# Altium PCB FlatSat Half 2.PcbDoc (part 2 of 9)
Units mil, origin at the board's own origin, x right, y up, seen from the top; angles counter-clockwise.
Board outline 4682 x 11604 mil, 4 copper layers (Top Layer, STR GND 1, STR GND 2, Bottom Layer), stack 33.434 mil thick; 231 components, 255 nets, 990 pads, 1104 vias.
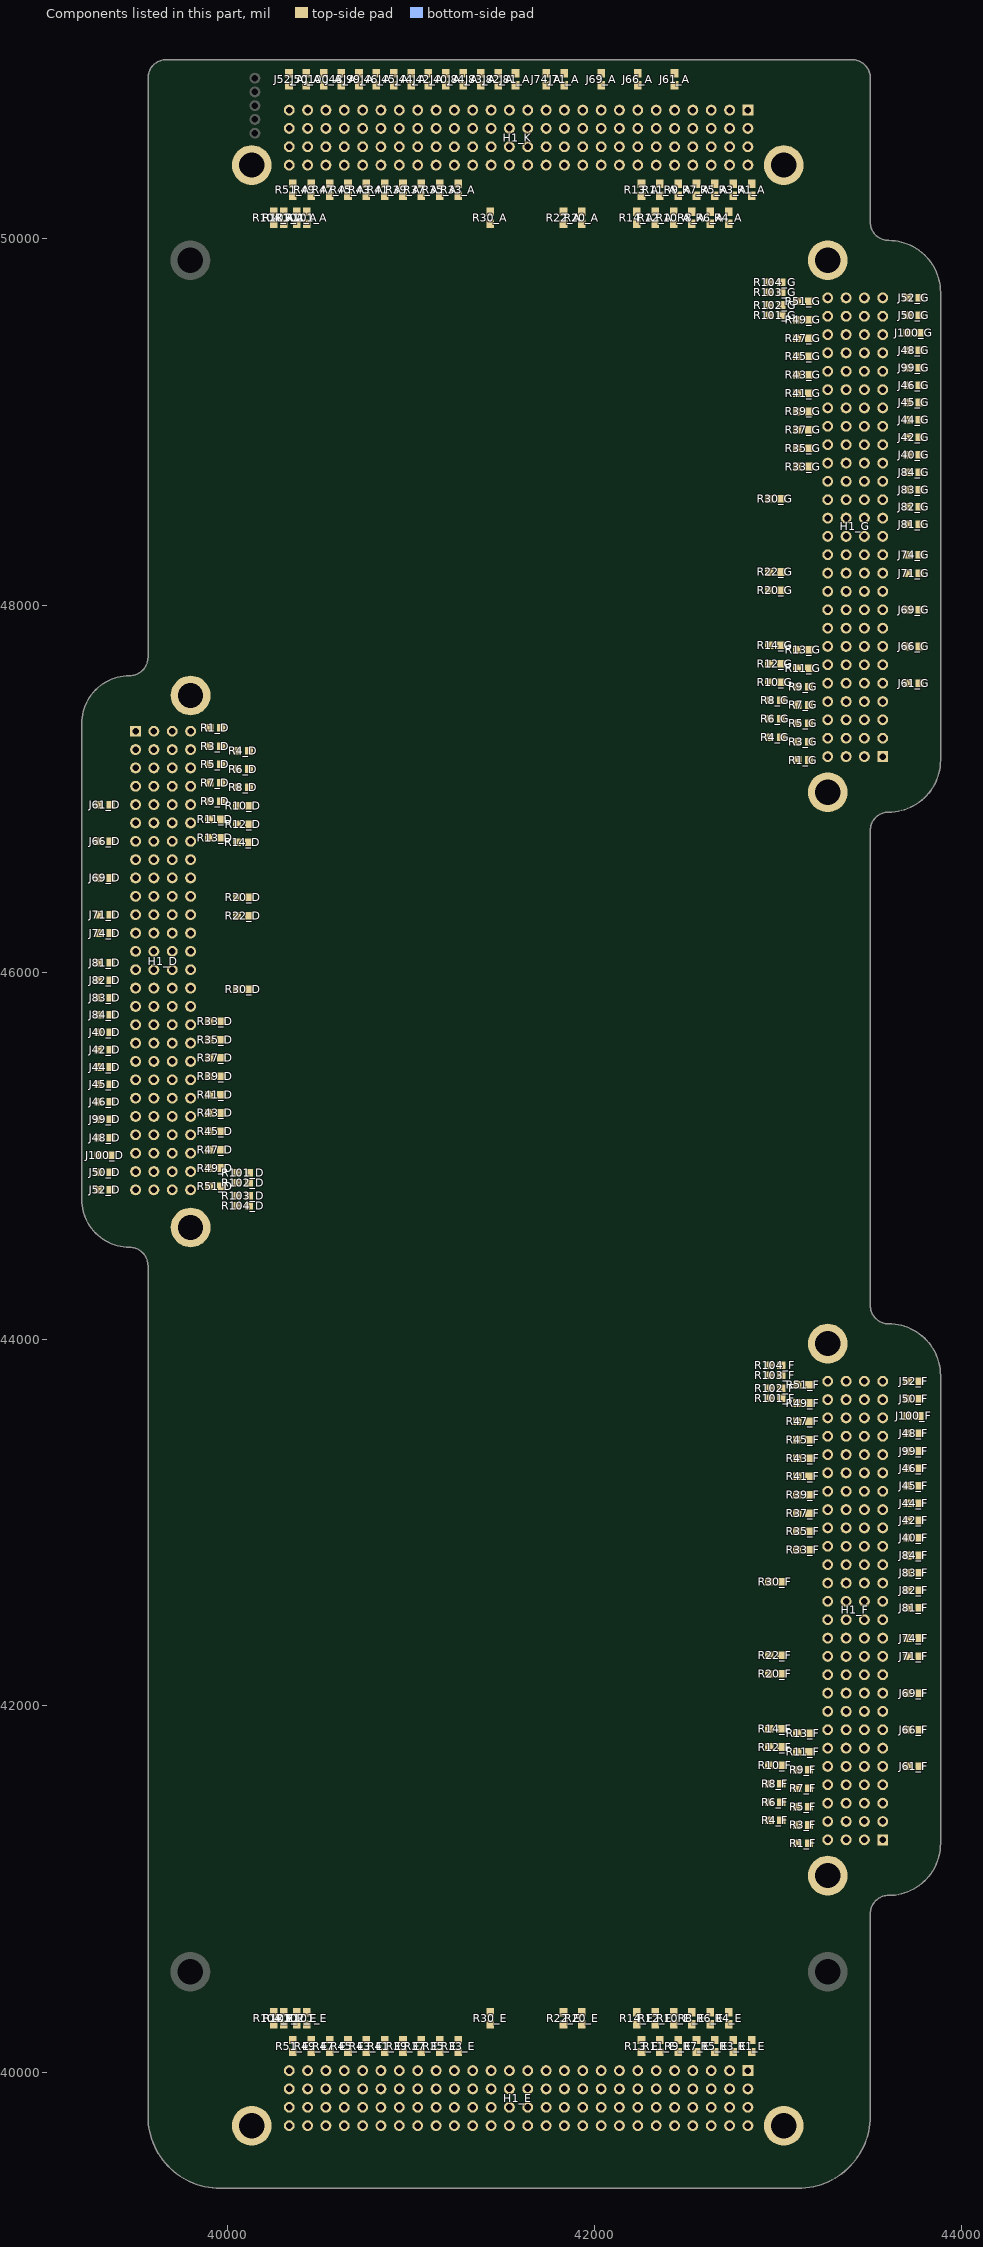
[diagram p4: the components of this part, seen from the top]

## Design rules (kind name [scope] priority, off if disabled: settings) (continued)
Clearance "Schematic Clearance Constraint_486" [InNet('SEP_SW2')] p594: gap=8
Clearance "Schematic Clearance Constraint_485" [InNet('SEP_SW2')] p595: gap=8
Clearance "Schematic Clearance Constraint_484" [InNet('SEP_SW2')] p596: gap=8
Clearance "Schematic Clearance Constraint_483" [InNet('SEP_SW2')] p597: gap=8
Clearance "Schematic Clearance Constraint_482" [InNet('SEP_SW2')] p598: gap=8
Clearance "Schematic Clearance Constraint_481" [InNet('SEP_SW1')] p599: gap=8
Clearance "Schematic Clearance Constraint_480" [InNet('SEP_SW1')] p600: gap=8
Clearance "Schematic Clearance Constraint_479" [InNet('SEP_SW1')] p601: gap=8
Clearance "Schematic Clearance Constraint_478" [InNet('SEP_SW1')] p602: gap=8
Clearance "Schematic Clearance Constraint_477" [InNet('SEP_SW1')] p603: gap=8
Clearance "Schematic Clearance Constraint_476" [InNet('SEP_SW1')] p604: gap=8
Clearance "Schematic Clearance Constraint_475" [InNet('SEP_SW1')] p605: gap=8
Clearance "Schematic Clearance Constraint_474" [InNet('SEP_SW1')] p606: gap=8
Clearance "Schematic Clearance Constraint_473" [InNet('RESERVED_8')] p607: gap=8
Clearance "Schematic Clearance Constraint_472" [InNet('RESERVED_8')] p608: gap=8
Clearance "Schematic Clearance Constraint_471" [InNet('RESERVED_8')] p609: gap=8
Clearance "Schematic Clearance Constraint_470" [InNet('RESERVED_8')] p610: gap=8
Clearance "Schematic Clearance Constraint_469" [InNet('RESERVED_8')] p611: gap=8
Clearance "Schematic Clearance Constraint_468" [InNet('RESERVED_8')] p612: gap=8
Clearance "Schematic Clearance Constraint_467" [InNet('RESERVED_8')] p613: gap=8
Clearance "Schematic Clearance Constraint_466" [InNet('RESERVED_8')] p614: gap=8
Clearance "Schematic Clearance Constraint_465" [InNet('RESERVED_7')] p615: gap=8
Clearance "Schematic Clearance Constraint_464" [InNet('RESERVED_7')] p616: gap=8
Clearance "Schematic Clearance Constraint_463" [InNet('RESERVED_7')] p617: gap=8
Clearance "Schematic Clearance Constraint_462" [InNet('RESERVED_7')] p618: gap=8
Clearance "Schematic Clearance Constraint_461" [InNet('RESERVED_7')] p619: gap=8
Clearance "Schematic Clearance Constraint_460" [InNet('RESERVED_7')] p620: gap=8
Clearance "Schematic Clearance Constraint_459" [InNet('RESERVED_7')] p621: gap=8
Clearance "Schematic Clearance Constraint_458" [InNet('RESERVED_7')] p622: gap=8
Clearance "Schematic Clearance Constraint_457" [InNet('RESERVED_6')] p623: gap=8
Clearance "Schematic Clearance Constraint_456" [InNet('RESERVED_6')] p624: gap=8
Clearance "Schematic Clearance Constraint_455" [InNet('RESERVED_6')] p625: gap=8
Clearance "Schematic Clearance Constraint_454" [InNet('RESERVED_6')] p626: gap=8
Clearance "Schematic Clearance Constraint_453" [InNet('RESERVED_6')] p627: gap=8
Clearance "Schematic Clearance Constraint_452" [InNet('RESERVED_6')] p628: gap=8
Clearance "Schematic Clearance Constraint_451" [InNet('RESERVED_6')] p629: gap=8
Clearance "Schematic Clearance Constraint_450" [InNet('RESERVED_6')] p630: gap=8
Clearance "Schematic Clearance Constraint_449" [InNet('RESERVED_5')] p631: gap=8
Clearance "Schematic Clearance Constraint_448" [InNet('RESERVED_5')] p632: gap=8
Clearance "Schematic Clearance Constraint_447" [InNet('RESERVED_5')] p633: gap=8
Clearance "Schematic Clearance Constraint_446" [InNet('RESERVED_5')] p634: gap=8
Clearance "Schematic Clearance Constraint_445" [InNet('RESERVED_5')] p635: gap=8
Clearance "Schematic Clearance Constraint_444" [InNet('RESERVED_5')] p636: gap=8
Clearance "Schematic Clearance Constraint_443" [InNet('RESERVED_5')] p637: gap=8
Clearance "Schematic Clearance Constraint_442" [InNet('RESERVED_5')] p638: gap=8
Clearance "Schematic Clearance Constraint_441" [InNet('RESERVED_4')] p639: gap=8
Clearance "Schematic Clearance Constraint_440" [InNet('RESERVED_4')] p640: gap=8
Clearance "Schematic Clearance Constraint_439" [InNet('RESERVED_4')] p641: gap=8
Clearance "Schematic Clearance Constraint_438" [InNet('RESERVED_4')] p642: gap=8
Clearance "Schematic Clearance Constraint_437" [InNet('RESERVED_4')] p643: gap=8
Clearance "Schematic Clearance Constraint_435" [InNet('BATV_BUS_1')] p644: gap=8
Clearance "Schematic Clearance Constraint_434" [InNet('BAT_POS_2')] p645: gap=8
Clearance "Schematic Clearance Constraint_433" [InNet('BAT_POS_2')] p646: gap=8
Clearance "Schematic Clearance Constraint_432" [InNet('BAT_POS_2')] p647: gap=8
Clearance "Schematic Clearance Constraint_431" [InNet('BAT_POS_2')] p648: gap=8
Clearance "Schematic Clearance Constraint_430" [InNet('BAT_POS_2')] p649: gap=8
Clearance "Schematic Clearance Constraint_429" [InNet('BAT_POS_2')] p650: gap=8
Clearance "Schematic Clearance Constraint_428" [InNet('BAT_POS_2')] p651: gap=8
Clearance "Schematic Clearance Constraint_427" [InNet('BAT_POS_2')] p652: gap=8
Clearance "Schematic Clearance Constraint_426" [InNet('BAT_POS_1')] p653: gap=8
Clearance "Schematic Clearance Constraint_425" [InNet('BAT_POS_1')] p654: gap=8
Clearance "Schematic Clearance Constraint_424" [InNet('COM_SBAND_INT')] p655: gap=8
Clearance "Schematic Clearance Constraint_423" [InNet('COM_SBAND_INT')] p656: gap=8
Clearance "Schematic Clearance Constraint_422" [InNet('COM_SBAND_INT')] p657: gap=8
Clearance "Schematic Clearance Constraint_421" [InNet('COM_SBAND_INT')] p658: gap=8
Clearance "Schematic Clearance Constraint_420" [InNet('BCR_OUT_4')] p659: gap=8
Clearance "Schematic Clearance Constraint_419" [InNet('BCR_OUT_4')] p660: gap=8
Clearance "Schematic Clearance Constraint_418" [InNet('BCR_OUT_4')] p661: gap=8
Clearance "Schematic Clearance Constraint_417" [InNet('BCR_OUT_4')] p662: gap=8
Clearance "Schematic Clearance Constraint_416" [InNet('BCR_OUT_4')] p663: gap=8
Clearance "Schematic Clearance Constraint_415" [InNet('BCR_OUT_4')] p664: gap=8
Clearance "Schematic Clearance Constraint_414" [InNet('BCR_OUT_4')] p665: gap=8
Clearance "Schematic Clearance Constraint_413" [InNet('BCR_OUT_4')] p666: gap=8
Clearance "Schematic Clearance Constraint_412" [InNet('BCR_OUT_3')] p667: gap=8
Clearance "Schematic Clearance Constraint_411" [InNet('BCR_OUT_3')] p668: gap=8
Clearance "Schematic Clearance Constraint_410" [InNet('BCR_OUT_3')] p669: gap=8
Clearance "Schematic Clearance Constraint_409" [InNet('BCR_OUT_3')] p670: gap=8
Clearance "Schematic Clearance Constraint_408" [InNet('BCR_OUT_3')] p671: gap=8
Clearance "Schematic Clearance Constraint_407" [InNet('BCR_OUT_3')] p672: gap=8
Clearance "Schematic Clearance Constraint_406" [InNet('BCR_OUT_3')] p673: gap=8
Clearance "Schematic Clearance Constraint_405" [InNet('BCR_OUT_3')] p674: gap=8
Clearance "Schematic Clearance Constraint_404" [InNet('BCR_OUT_2')] p675: gap=8
Clearance "Schematic Clearance Constraint_403" [InNet('BCR_OUT_2')] p676: gap=8
Clearance "Schematic Clearance Constraint_402" [InNet('BCR_OUT_2')] p677: gap=8
Clearance "Schematic Clearance Constraint_401" [InNet('BCR_OUT_2')] p678: gap=8
Clearance "Schematic Clearance Constraint_400" [InNet('BCR_OUT_2')] p679: gap=8
Clearance "Schematic Clearance Constraint_399" [InNet('BCR_OUT_2')] p680: gap=8
Clearance "Schematic Clearance Constraint_398" [InNet('BCR_OUT_2')] p681: gap=8
Clearance "Schematic Clearance Constraint_397" [InNet('BCR_OUT_2')] p682: gap=8
Clearance "Schematic Clearance Constraint_396" [InNet('BCR_OUT_1')] p683: gap=8
Clearance "Schematic Clearance Constraint_395" [InNet('BCR_OUT_1')] p684: gap=8
Clearance "Schematic Clearance Constraint_394" [InNet('BCR_OUT_1')] p685: gap=8
Clearance "Schematic Clearance Constraint_393" [InNet('BCR_OUT_1')] p686: gap=8
Clearance "Schematic Clearance Constraint_392" [InNet('BCR_OUT_1')] p687: gap=8
Clearance "Schematic Clearance Constraint_391" [InNet('BCR_OUT_1')] p688: gap=8
Clearance "Schematic Clearance Constraint_390" [InNet('BCR_OUT_1')] p689: gap=8
Clearance "Schematic Clearance Constraint_389" [InNet('BCR_OUT_1')] p690: gap=8
Clearance "Schematic Clearance Constraint_388" [InNet('BATV_BUS_2')] p691: gap=8
Clearance "Schematic Clearance Constraint_387" [InNet('BATV_BUS_2')] p692: gap=8
Clearance "Schematic Clearance Constraint_386" [InNet('BATV_BUS_2')] p693: gap=8
Clearance "Schematic Clearance Constraint_385" [InNet('BATV_BUS_2')] p694: gap=8
Clearance "Schematic Clearance Constraint_384" [InNet('BATV_BUS_2')] p695: gap=8
Clearance "Schematic Clearance Constraint_383" [InNet('BATV_BUS_2')] p696: gap=8
Clearance "Schematic Clearance Constraint_382" [InNet('BATV_BUS_2')] p697: gap=8
Clearance "Schematic Clearance Constraint_381" [InNet('BATV_BUS_2')] p698: gap=8
Clearance "Schematic Clearance Constraint_380" [InNet('BATV_BUS_1')] p699: gap=8
Clearance "Schematic Clearance Constraint_379" [InNet('BATV_BUS_1')] p700: gap=8
Clearance "Schematic Clearance Constraint_378" [InNet('BATV_BUS_1')] p701: gap=8
Clearance "Schematic Clearance Constraint_377" [InNet('BATV_BUS_1')] p702: gap=8
Clearance "Schematic Clearance Constraint_376" [InNet('BATV_BUS_1')] p703: gap=8
Clearance "Schematic Clearance Constraint_375" [InNet('BATV_BUS_1')] p704: gap=8
Clearance "Schematic Clearance Constraint_374" [InNet('BATV_BUS_1')] p705: gap=8
Clearance "Schematic Clearance Constraint_373" [InNet('NetH1_H_13')] p706: gap=8
Clearance "Schematic Clearance Constraint_372" [InNet('NetH1_H_12')] p707: gap=8
Clearance "Schematic Clearance Constraint_371" [InNet('NetH1_H_11')] p708: gap=8
Clearance "Schematic Clearance Constraint_370" [InNet('NetH1_H_10')] p709: gap=8
Clearance "Schematic Clearance Constraint_369" [InNet('NetH1_H_9')] p710: gap=8
Clearance "Schematic Clearance Constraint_368" [InNet('NetH1_H_8')] p711: gap=8
Clearance "Schematic Clearance Constraint_367" [InNet('NetH1_H_7')] p712: gap=8
Clearance "Schematic Clearance Constraint_366" [InNet('NetH1_H_6')] p713: gap=8
Clearance "Schematic Clearance Constraint_365" [InNet('NetH1_H_5')] p714: gap=8
Clearance "Schematic Clearance Constraint_364" [InNet('NetH1_H_4')] p715: gap=8
Clearance "Schematic Clearance Constraint_363" [InNet('NetH1_H_3')] p716: gap=8
Clearance "Schematic Clearance Constraint_362" [InNet('NetH1_H_1')] p717: gap=8
Clearance "Schematic Clearance Constraint_361" [InNet('NetH1_G_104')] p718: gap=8
Clearance "Schematic Clearance Constraint_360" [InNet('NetH1_G_103')] p719: gap=8
Clearance "Schematic Clearance Constraint_359" [InNet('BAT_POS_1')] p720: gap=8
Clearance "Schematic Clearance Constraint_358" [InNet('BAT_POS_1')] p721: gap=8
Clearance "Schematic Clearance Constraint_357" [InNet('BAT_POS_1')] p722: gap=8
Clearance "Schematic Clearance Constraint_356" [InNet('BAT_POS_1')] p723: gap=8
Clearance "Schematic Clearance Constraint_355" [InNet('BAT_POS_1')] p724: gap=8
Clearance "Schematic Clearance Constraint_354" [InNet('BAT_POS_1')] p725: gap=8
Clearance "Schematic Clearance Constraint_353" [InNet('ADCS_SS1')] p726: gap=8
Clearance "Schematic Clearance Constraint_352" [InNet('ADCS_SS1')] p727: gap=8
Clearance "Schematic Clearance Constraint_351" [InNet('ADCS_SS1')] p728: gap=8
Clearance "Schematic Clearance Constraint_350" [InNet('ADCS_SS1')] p729: gap=8
Clearance "Schematic Clearance Constraint_349" [InNet('ADCS_SS1')] p730: gap=8
Clearance "Schematic Clearance Constraint_348" [InNet('ADCS_SS1')] p731: gap=8
Clearance "Schematic Clearance Constraint_347" [InNet('ADCS_SS1')] p732: gap=8
Clearance "Schematic Clearance Constraint_346" [InNet('ADCS_SS1')] p733: gap=8
Clearance "Schematic Clearance Constraint_345" [InNet('ADCS_SCLK')] p734: gap=8
Clearance "Schematic Clearance Constraint_344" [InNet('ADCS_SCLK')] p735: gap=8
Clearance "Schematic Clearance Constraint_343" [InNet('ADCS_SCLK')] p736: gap=8
Clearance "Schematic Clearance Constraint_342" [InNet('ADCS_SCLK')] p737: gap=8
Clearance "Schematic Clearance Constraint_341" [InNet('ADCS_SCLK')] p738: gap=8
Clearance "Schematic Clearance Constraint_340" [InNet('ADCS_SCLK')] p739: gap=8
Clearance "Schematic Clearance Constraint_339" [InNet('ADCS_SCLK')] p740: gap=8
Clearance "Schematic Clearance Constraint_338" [InNet('ADCS_SCLK')] p741: gap=8
Clearance "Schematic Clearance Constraint_337" [InNet('ADCS_PDI_DATA')] p742: gap=8
Clearance "Schematic Clearance Constraint_336" [InNet('ADCS_PDI_DATA')] p743: gap=8
Clearance "Schematic Clearance Constraint_335" [InNet('ADCS_PDI_DATA')] p744: gap=8
Clearance "Schematic Clearance Constraint_334" [InNet('ADCS_PDI_DATA')] p745: gap=8
Clearance "Schematic Clearance Constraint_333" [InNet('ADCS_PDI_DATA')] p746: gap=8
Clearance "Schematic Clearance Constraint_332" [InNet('ADCS_PDI_DATA')] p747: gap=8
Clearance "Schematic Clearance Constraint_331" [InNet('ADCS_PDI_DATA')] p748: gap=8
Clearance "Schematic Clearance Constraint_330" [InNet('ADCS_PDI_DATA')] p749: gap=8
Clearance "Schematic Clearance Constraint_329" [InNet('ADCS_PDI_CLK')] p750: gap=8
Clearance "Schematic Clearance Constraint_328" [InNet('ADCS_PDI_CLK')] p751: gap=8
Clearance "Schematic Clearance Constraint_327" [InNet('ADCS_PDI_CLK')] p752: gap=8
Clearance "Schematic Clearance Constraint_326" [InNet('ADCS_PDI_CLK')] p753: gap=8
Clearance "Schematic Clearance Constraint_325" [InNet('ADCS_PDI_CLK')] p754: gap=8
Clearance "Schematic Clearance Constraint_324" [InNet('ADCS_PDI_CLK')] p755: gap=8
Clearance "Schematic Clearance Constraint_323" [InNet('ADCS_PDI_CLK')] p756: gap=8
Clearance "Schematic Clearance Constraint_322" [InNet('ADCS_PDI_CLK')] p757: gap=8
Clearance "Schematic Clearance Constraint_321" [InNet('ADCS_MOSI')] p758: gap=8
Clearance "Schematic Clearance Constraint_320" [InNet('ADCS_MOSI')] p759: gap=8
Clearance "Schematic Clearance Constraint_319" [InNet('ADCS_MOSI')] p760: gap=8
Clearance "Schematic Clearance Constraint_318" [InNet('ADCS_MOSI')] p761: gap=8
Clearance "Schematic Clearance Constraint_317" [InNet('ADCS_MOSI')] p762: gap=8
Clearance "Schematic Clearance Constraint_316" [InNet('ADCS_MOSI')] p763: gap=8
Clearance "Schematic Clearance Constraint_315" [InNet('ADCS_MOSI')] p764: gap=8
Clearance "Schematic Clearance Constraint_314" [InNet('ADCS_MOSI')] p765: gap=8
Clearance "Schematic Clearance Constraint_313" [InNet('ADCS_MISO')] p766: gap=8
Clearance "Schematic Clearance Constraint_312" [InNet('ADCS_MISO')] p767: gap=8
Clearance "Schematic Clearance Constraint_311" [InNet('ADCS_MISO')] p768: gap=8
Clearance "Schematic Clearance Constraint_310" [InNet('ADCS_MISO')] p769: gap=8
Clearance "Schematic Clearance Constraint_309" [InNet('ADCS_MISO')] p770: gap=8
Clearance "Schematic Clearance Constraint_308" [InNet('ADCS_MISO')] p771: gap=8
Clearance "Schematic Clearance Constraint_307" [InNet('ADCS_MISO')] p772: gap=8
Clearance "Schematic Clearance Constraint_306" [InNet('ADCS_MISO')] p773: gap=8
Clearance "Schematic Clearance Constraint_305" [InNet('ADCS_CS')] p774: gap=8
Clearance "Schematic Clearance Constraint_304" [InNet('ADCS_CS')] p775: gap=8
Clearance "Schematic Clearance Constraint_303" [InNet('ADCS_CS')] p776: gap=8
Clearance "Schematic Clearance Constraint_302" [InNet('ADCS_CS')] p777: gap=8
Clearance "Schematic Clearance Constraint_301" [InNet('ADCS_CS')] p778: gap=8
Clearance "Schematic Clearance Constraint_300" [InNet('ADCS_CS')] p779: gap=8
Clearance "Schematic Clearance Constraint_299" [InNet('ADCS_CS')] p780: gap=8
Clearance "Schematic Clearance Constraint_298" [InNet('ADCS_CS')] p781: gap=8
Clearance "Schematic Clearance Constraint_297" [InNet('12V_BUS_2')] p782: gap=8
Clearance "Schematic Clearance Constraint_296" [InNet('12V_BUS_2')] p783: gap=8
Clearance "Schematic Clearance Constraint_295" [InNet('12V_BUS_2')] p784: gap=8
Clearance "Schematic Clearance Constraint_294" [InNet('12V_BUS_2')] p785: gap=8
Clearance "Schematic Clearance Constraint_293" [InNet('12V_BUS_2')] p786: gap=8
Clearance "Schematic Clearance Constraint_292" [InNet('12V_BUS_2')] p787: gap=8
Clearance "Schematic Clearance Constraint_291" [InNet('12V_BUS_2')] p788: gap=8
Clearance "Schematic Clearance Constraint_290" [InNet('12V_BUS_2')] p789: gap=8
Clearance "Schematic Clearance Constraint_289" [InNet('12V_BUS_1')] p790: gap=8
Clearance "Schematic Clearance Constraint_288" [InNet('12V_BUS_1')] p791: gap=8
Clearance "Schematic Clearance Constraint_287" [InNet('12V_BUS_1')] p792: gap=8
Clearance "Schematic Clearance Constraint_286" [InNet('12V_BUS_1')] p793: gap=8
Clearance "Schematic Clearance Constraint_285" [InNet('12V_BUS_1')] p794: gap=8
Clearance "Schematic Clearance Constraint_284" [InNet('12V_BUS_1')] p795: gap=8
Clearance "Schematic Clearance Constraint_283" [InNet('12V_BUS_1')] p796: gap=8
Clearance "Schematic Clearance Constraint_282" [InNet('12V_BUS_1')] p797: gap=8
Clearance "Schematic Clearance Constraint_281" [InNet('5V_USB_CHG')] p798: gap=8
Clearance "Schematic Clearance Constraint_280" [InNet('5V_USB_CHG')] p799: gap=8
Clearance "Schematic Clearance Constraint_279" [InNet('5V_USB_CHG')] p800: gap=8
Clearance "Schematic Clearance Constraint_278" [InNet('5V_USB_CHG')] p801: gap=8
Clearance "Schematic Clearance Constraint_277" [InNet('5V_USB_CHG')] p802: gap=8
Clearance "Schematic Clearance Constraint_276" [InNet('5V_USB_CHG')] p803: gap=8
Clearance "Schematic Clearance Constraint_275" [InNet('5V_USB_CHG')] p804: gap=8
Clearance "Schematic Clearance Constraint_274" [InNet('5V_USB_CHG')] p805: gap=8
Clearance "Schematic Clearance Constraint_273" [InNet('5V_BUS_2')] p806: gap=8
Clearance "Schematic Clearance Constraint_272" [InNet('5V_BUS_2')] p807: gap=8
Clearance "Schematic Clearance Constraint_271" [InNet('5V_BUS_2')] p808: gap=8
Clearance "Schematic Clearance Constraint_270" [InNet('5V_BUS_2')] p809: gap=8
Clearance "Schematic Clearance Constraint_269" [InNet('5V_BUS_2')] p810: gap=8
Clearance "Schematic Clearance Constraint_268" [InNet('5V_BUS_2')] p811: gap=8
Clearance "Schematic Clearance Constraint_267" [InNet('5V_BUS_2')] p812: gap=8
Clearance "Schematic Clearance Constraint_266" [InNet('5V_BUS_2')] p813: gap=8
Clearance "Schematic Clearance Constraint_265" [InNet('5V_BUS_1')] p814: gap=8
Clearance "Schematic Clearance Constraint_264" [InNet('5V_BUS_1')] p815: gap=8
Clearance "Schematic Clearance Constraint_263" [InNet('5V_BUS_1')] p816: gap=8
Clearance "Schematic Clearance Constraint_262" [InNet('5V_BUS_1')] p817: gap=8
Clearance "Schematic Clearance Constraint_261" [InNet('5V_BUS_1')] p818: gap=8
Clearance "Schematic Clearance Constraint_260" [InNet('5V_BUS_1')] p819: gap=8
Clearance "Schematic Clearance Constraint_259" [InNet('5V_BUS_1')] p820: gap=8
Clearance "Schematic Clearance Constraint_258" [InNet('5V_BUS_1')] p821: gap=8
Clearance "Schematic Clearance Constraint_257" [InNet('3V3_BUS_2')] p822: gap=8
Clearance "Schematic Clearance Constraint_256" [InNet('3V3_BUS_2')] p823: gap=8
Clearance "Schematic Clearance Constraint_255" [InNet('3V3_BUS_2')] p824: gap=8
Clearance "Schematic Clearance Constraint_254" [InNet('3V3_BUS_2')] p825: gap=8
Clearance "Schematic Clearance Constraint_253" [InNet('3V3_BUS_2')] p826: gap=8
Clearance "Schematic Clearance Constraint_252" [InNet('3V3_BUS_2')] p827: gap=8
Clearance "Schematic Clearance Constraint_251" [InNet('3V3_BUS_2')] p828: gap=8
Clearance "Schematic Clearance Constraint_250" [InNet('3V3_BUS_2')] p829: gap=8
Clearance "Schematic Clearance Constraint_249" [InNet('3V3_BUS_1')] p830: gap=8
Clearance "Schematic Clearance Constraint_248" [InNet('3V3_BUS_1')] p831: gap=8
Clearance "Schematic Clearance Constraint_247" [InNet('3V3_BUS_1')] p832: gap=8
Clearance "Schematic Clearance Constraint_246" [InNet('3V3_BUS_1')] p833: gap=8
Clearance "Schematic Clearance Constraint_245" [InNet('3V3_BUS_1')] p834: gap=8
Clearance "Schematic Clearance Constraint_244" [InNet('3V3_BUS_1')] p835: gap=8
Clearance "Schematic Clearance Constraint_243" [InNet('3V3_BUS_1')] p836: gap=8
Clearance "Schematic Clearance Constraint_241" [InNet('2SMARDSENS_B')] p837: gap=8
Clearance "Schematic Clearance Constraint_240" [InNet('2SMARDSENS_B')] p838: gap=8
Clearance "Schematic Clearance Constraint_239" [InNet('2SMARDSENS_B')] p839: gap=8
Clearance "Schematic Clearance Constraint_238" [InNet('2SMARDSENS_B')] p840: gap=8
Clearance "Schematic Clearance Constraint_237" [InNet('2SMARDSENS_B')] p841: gap=8
Clearance "Schematic Clearance Constraint_236" [InNet('2SMARDSENS_B')] p842: gap=8
Clearance "Schematic Clearance Constraint_235" [InNet('2SMARDSENS_B')] p843: gap=8
Clearance "Schematic Clearance Constraint_234" [InNet('2SMARDSENS_B')] p844: gap=8
Clearance "Schematic Clearance Constraint_233" [InNet('2SMARDSENS_A')] p845: gap=8
Clearance "Schematic Clearance Constraint_232" [InNet('2SMARDSENS_A')] p846: gap=8
Clearance "Schematic Clearance Constraint_231" [InNet('2SMARDSENS_A')] p847: gap=8
Clearance "Schematic Clearance Constraint_230" [InNet('2SMARDSENS_A')] p848: gap=8
Clearance "Schematic Clearance Constraint_229" [InNet('2SMARDSENS_A')] p849: gap=8
Clearance "Schematic Clearance Constraint_228" [InNet('2SMARDSENS_A')] p850: gap=8
Clearance "Schematic Clearance Constraint_227" [InNet('2SMARDSENS_A')] p851: gap=8
Clearance "Schematic Clearance Constraint_226" [InNet('2SMARDSENS_A')] p852: gap=8
Clearance "Schematic Clearance Constraint_225" [InNet('NetH1_H_104')] p853: gap=8
Clearance "Schematic Clearance Constraint_224" [InNet('NetH1_H_103')] p854: gap=8
Clearance "Schematic Clearance Constraint_223" [InNet('NetH1_H_102')] p855: gap=8
Clearance "Schematic Clearance Constraint_222" [InNet('NetH1_H_101')] p856: gap=8
Clearance "Schematic Clearance Constraint_221" [InNet('NetH1_H_51')] p857: gap=8
Clearance "Schematic Clearance Constraint_220" [InNet('NetH1_H_49')] p858: gap=8
Clearance "Schematic Clearance Constraint_219" [InNet('NetH1_H_47')] p859: gap=8
Clearance "Schematic Clearance Constraint_218" [InNet('NetH1_H_45')] p860: gap=8
Clearance "Schematic Clearance Constraint_217" [InNet('NetH1_H_43')] p861: gap=8
Clearance "Schematic Clearance Constraint_216" [InNet('NetH1_H_41')] p862: gap=8
Clearance "Schematic Clearance Constraint_215" [InNet('NetH1_H_39')] p863: gap=8
Clearance "Schematic Clearance Constraint_214" [InNet('NetH1_H_37')] p864: gap=8
Clearance "Schematic Clearance Constraint_213" [InNet('NetH1_H_35')] p865: gap=8
Clearance "Schematic Clearance Constraint_212" [InNet('NetH1_H_33')] p866: gap=8
Clearance "Schematic Clearance Constraint_211" [InNet('NetH1_H_30')] p867: gap=8
Clearance "Schematic Clearance Constraint_210" [InNet('NetH1_H_22')] p868: gap=8
Clearance "Schematic Clearance Constraint_209" [InNet('NetH1_H_20')] p869: gap=8
Clearance "Schematic Clearance Constraint_208" [InNet('NetH1_H_14')] p870: gap=8
Clearance "Schematic Clearance Constraint_207" [InNet('NetH1_G_102')] p871: gap=8
Clearance "Schematic Clearance Constraint_206" [InNet('NetH1_G_101')] p872: gap=8
Clearance "Schematic Clearance Constraint_205" [InNet('NetH1_G_51')] p873: gap=8
Clearance "Schematic Clearance Constraint_204" [InNet('NetH1_G_49')] p874: gap=8
Clearance "Schematic Clearance Constraint_203" [InNet('NetH1_G_47')] p875: gap=8
Clearance "Schematic Clearance Constraint_202" [InNet('NetH1_G_45')] p876: gap=8
Clearance "Schematic Clearance Constraint_201" [InNet('NetH1_G_43')] p877: gap=8
Clearance "Schematic Clearance Constraint_200" [InNet('NetH1_G_41')] p878: gap=8
Clearance "Schematic Clearance Constraint_199" [InNet('NetH1_G_39')] p879: gap=8
Clearance "Schematic Clearance Constraint_198" [InNet('NetH1_G_37')] p880: gap=8
Clearance "Schematic Clearance Constraint_197" [InNet('NetH1_G_35')] p881: gap=8
Clearance "Schematic Clearance Constraint_196" [InNet('NetH1_G_33')] p882: gap=8
Clearance "Schematic Clearance Constraint_195" [InNet('NetH1_G_30')] p883: gap=8
Clearance "Schematic Clearance Constraint_194" [InNet('NetH1_G_22')] p884: gap=8
Clearance "Schematic Clearance Constraint_193" [InNet('NetH1_G_20')] p885: gap=8
Clearance "Schematic Clearance Constraint_192" [InNet('NetH1_G_14')] p886: gap=8
Clearance "Schematic Clearance Constraint_191" [InNet('NetH1_G_13')] p887: gap=8
Clearance "Schematic Clearance Constraint_190" [InNet('NetH1_G_12')] p888: gap=8
Clearance "Schematic Clearance Constraint_189" [InNet('NetH1_G_11')] p889: gap=8
Clearance "Schematic Clearance Constraint_188" [InNet('NetH1_G_10')] p890: gap=8
Clearance "Schematic Clearance Constraint_187" [InNet('NetH1_G_9')] p891: gap=8
Clearance "Schematic Clearance Constraint_186" [InNet('NetH1_G_8')] p892: gap=8
Clearance "Schematic Clearance Constraint_185" [InNet('NetH1_G_7')] p893: gap=8
Clearance "Schematic Clearance Constraint_184" [InNet('NetH1_G_6')] p894: gap=8
Clearance "Schematic Clearance Constraint_183" [InNet('NetH1_G_5')] p895: gap=8
Clearance "Schematic Clearance Constraint_182" [InNet('NetH1_G_4')] p896: gap=8
Clearance "Schematic Clearance Constraint_181" [InNet('NetH1_G_3')] p897: gap=8
Clearance "Schematic Clearance Constraint_180" [InNet('NetH1_G_1')] p898: gap=8
Clearance "Schematic Clearance Constraint_179" [InNet('NetH1_F_104')] p899: gap=8
Clearance "Schematic Clearance Constraint_178" [InNet('NetH1_F_103')] p900: gap=8
Clearance "Schematic Clearance Constraint_177" [InNet('NetH1_F_102')] p901: gap=8
Clearance "Schematic Clearance Constraint_176" [InNet('NetH1_F_101')] p902: gap=8
Clearance "Schematic Clearance Constraint_175" [InNet('NetH1_F_51')] p903: gap=8
Clearance "Schematic Clearance Constraint_174" [InNet('NetH1_F_49')] p904: gap=8
Clearance "Schematic Clearance Constraint_173" [InNet('NetH1_F_47')] p905: gap=8
Clearance "Schematic Clearance Constraint_172" [InNet('NetH1_F_45')] p906: gap=8
Clearance "Schematic Clearance Constraint_171" [InNet('NetH1_F_43')] p907: gap=8
Clearance "Schematic Clearance Constraint_170" [InNet('NetH1_F_41')] p908: gap=8
Clearance "Schematic Clearance Constraint_169" [InNet('NetH1_F_39')] p909: gap=8
Clearance "Schematic Clearance Constraint_168" [InNet('NetH1_F_37')] p910: gap=8
Clearance "Schematic Clearance Constraint_167" [InNet('NetH1_F_35')] p911: gap=8
Clearance "Schematic Clearance Constraint_166" [InNet('NetH1_F_33')] p912: gap=8
Clearance "Schematic Clearance Constraint_165" [InNet('NetH1_F_30')] p913: gap=8
Clearance "Schematic Clearance Constraint_164" [InNet('NetH1_F_22')] p914: gap=8
Clearance "Schematic Clearance Constraint_163" [InNet('NetH1_F_20')] p915: gap=8
Clearance "Schematic Clearance Constraint_162" [InNet('NetH1_F_14')] p916: gap=8
Clearance "Schematic Clearance Constraint_161" [InNet('NetH1_F_13')] p917: gap=8
Clearance "Schematic Clearance Constraint_160" [InNet('NetH1_F_12')] p918: gap=8
Clearance "Schematic Clearance Constraint_159" [InNet('NetH1_F_11')] p919: gap=8
Clearance "Schematic Clearance Constraint_158" [InNet('NetH1_F_10')] p920: gap=8
Clearance "Schematic Clearance Constraint_157" [InNet('NetH1_F_9')] p921: gap=8
Clearance "Schematic Clearance Constraint_156" [InNet('NetH1_F_8')] p922: gap=8
Clearance "Schematic Clearance Constraint_155" [InNet('NetH1_F_7')] p923: gap=8
Clearance "Schematic Clearance Constraint_154" [InNet('NetH1_F_6')] p924: gap=8
Clearance "Schematic Clearance Constraint_153" [InNet('NetH1_F_5')] p925: gap=8
Clearance "Schematic Clearance Constraint_152" [InNet('NetH1_F_4')] p926: gap=8
Clearance "Schematic Clearance Constraint_151" [InNet('NetH1_F_3')] p927: gap=8
Clearance "Schematic Clearance Constraint_150" [InNet('NetH1_F_1')] p928: gap=8
Clearance "Schematic Clearance Constraint_149" [InNet('NetH1_E_104')] p929: gap=8
Clearance "Schematic Clearance Constraint_148" [InNet('NetH1_E_103')] p930: gap=8
Clearance "Schematic Clearance Constraint_147" [InNet('NetH1_E_102')] p931: gap=8
Clearance "Schematic Clearance Constraint_146" [InNet('NetH1_E_101')] p932: gap=8
Clearance "Schematic Clearance Constraint_145" [InNet('NetH1_E_51')] p933: gap=8
Clearance "Schematic Clearance Constraint_144" [InNet('NetH1_E_49')] p934: gap=8
Clearance "Schematic Clearance Constraint_143" [InNet('NetH1_E_47')] p935: gap=8
Clearance "Schematic Clearance Constraint_142" [InNet('NetH1_E_45')] p936: gap=8
Clearance "Schematic Clearance Constraint_141" [InNet('NetH1_E_43')] p937: gap=8
Clearance "Schematic Clearance Constraint_140" [InNet('NetH1_E_41')] p938: gap=8
Clearance "Schematic Clearance Constraint_139" [InNet('NetH1_E_39')] p939: gap=8
Clearance "Schematic Clearance Constraint_138" [InNet('NetH1_E_37')] p940: gap=8
Clearance "Schematic Clearance Constraint_137" [InNet('NetH1_E_35')] p941: gap=8
Clearance "Schematic Clearance Constraint_136" [InNet('NetH1_E_33')] p942: gap=8
Clearance "Schematic Clearance Constraint_135" [InNet('NetH1_E_30')] p943: gap=8
Clearance "Schematic Clearance Constraint_134" [InNet('NetH1_E_22')] p944: gap=8
Clearance "Schematic Clearance Constraint_133" [InNet('NetH1_E_20')] p945: gap=8
Clearance "Schematic Clearance Constraint_132" [InNet('NetH1_E_14')] p946: gap=8
Clearance "Schematic Clearance Constraint_131" [InNet('NetH1_E_13')] p947: gap=8
Clearance "Schematic Clearance Constraint_130" [InNet('NetH1_E_12')] p948: gap=8
Clearance "Schematic Clearance Constraint_129" [InNet('NetH1_E_11')] p949: gap=8
Clearance "Schematic Clearance Constraint_128" [InNet('NetH1_E_10')] p950: gap=8
Clearance "Schematic Clearance Constraint_127" [InNet('NetH1_E_9')] p951: gap=8
Clearance "Schematic Clearance Constraint_126" [InNet('NetH1_E_8')] p952: gap=8
Clearance "Schematic Clearance Constraint_125" [InNet('NetH1_E_7')] p953: gap=8
Clearance "Schematic Clearance Constraint_124" [InNet('NetH1_E_6')] p954: gap=8
Clearance "Schematic Clearance Constraint_123" [InNet('NetH1_E_5')] p955: gap=8
Clearance "Schematic Clearance Constraint_122" [InNet('NetH1_E_4')] p956: gap=8
Clearance "Schematic Clearance Constraint_121" [InNet('NetH1_E_3')] p957: gap=8
Clearance "Schematic Clearance Constraint_120" [InNet('NetH1_E_1')] p958: gap=8
Clearance "Schematic Clearance Constraint_119" [InNet('NetH1_D_104')] p959: gap=8
Clearance "Schematic Clearance Constraint_118" [InNet('NetH1_D_103')] p960: gap=8
Clearance "Schematic Clearance Constraint_117" [InNet('NetH1_D_102')] p961: gap=8
Clearance "Schematic Clearance Constraint_116" [InNet('NetH1_D_101')] p962: gap=8
Clearance "Schematic Clearance Constraint_115" [InNet('NetH1_D_51')] p963: gap=8
Clearance "Schematic Clearance Constraint_114" [InNet('NetH1_D_49')] p964: gap=8
Clearance "Schematic Clearance Constraint_113" [InNet('NetH1_D_47')] p965: gap=8
Clearance "Schematic Clearance Constraint_112" [InNet('NetH1_D_45')] p966: gap=8
Clearance "Schematic Clearance Constraint_111" [InNet('NetH1_D_43')] p967: gap=8
Clearance "Schematic Clearance Constraint_110" [InNet('NetH1_D_41')] p968: gap=8
Clearance "Schematic Clearance Constraint_109" [InNet('NetH1_D_39')] p969: gap=8
Clearance "Schematic Clearance Constraint_108" [InNet('NetH1_D_37')] p970: gap=8
Clearance "Schematic Clearance Constraint_107" [InNet('NetH1_D_35')] p971: gap=8
Clearance "Schematic Clearance Constraint_106" [InNet('NetH1_D_33')] p972: gap=8
Clearance "Schematic Clearance Constraint_105" [InNet('NetH1_D_30')] p973: gap=8
Clearance "Schematic Clearance Constraint_104" [InNet('NetH1_D_22')] p974: gap=8
Clearance "Schematic Clearance Constraint_103" [InNet('NetH1_D_20')] p975: gap=8
Clearance "Schematic Clearance Constraint_102" [InNet('NetH1_D_14')] p976: gap=8
Clearance "Schematic Clearance Constraint_101" [InNet('NetH1_D_13')] p977: gap=8
Clearance "Schematic Clearance Constraint_100" [InNet('NetH1_D_12')] p978: gap=8
Clearance "Schematic Clearance Constraint_99" [InNet('NetH1_D_11')] p979: gap=8
Clearance "Schematic Clearance Constraint_98" [InNet('NetH1_D_10')] p980: gap=8
Clearance "Schematic Clearance Constraint_97" [InNet('NetH1_D_9')] p981: gap=8
Clearance "Schematic Clearance Constraint_96" [InNet('NetH1_D_8')] p982: gap=8
Clearance "Schematic Clearance Constraint_95" [InNet('NetH1_D_7')] p983: gap=8
Clearance "Schematic Clearance Constraint_94" [InNet('NetH1_D_6')] p984: gap=8
Clearance "Schematic Clearance Constraint_93" [InNet('NetH1_D_5')] p985: gap=8
Clearance "Schematic Clearance Constraint_92" [InNet('NetH1_D_4')] p986: gap=8
Clearance "Schematic Clearance Constraint_91" [InNet('NetH1_D_3')] p987: gap=8
Clearance "Schematic Clearance Constraint_90" [InNet('NetH1_D_1')] p988: gap=8
Clearance "Schematic Clearance Constraint_89" [InNet('NetH1_C_104')] p989: gap=8
Clearance "Schematic Clearance Constraint_88" [InNet('NetH1_C_103')] p990: gap=8
Clearance "Schematic Clearance Constraint_87" [InNet('NetH1_C_102')] p991: gap=8
Clearance "Schematic Clearance Constraint_86" [InNet('NetH1_C_101')] p992: gap=8
Clearance "Schematic Clearance Constraint_85" [InNet('NetH1_C_51')] p993: gap=8
Clearance "Schematic Clearance Constraint_84" [InNet('NetH1_C_49')] p994: gap=8
Clearance "Schematic Clearance Constraint_83" [InNet('NetH1_C_47')] p995: gap=8
Clearance "Schematic Clearance Constraint_82" [InNet('NetH1_C_45')] p996: gap=8
Clearance "Schematic Clearance Constraint_81" [InNet('NetH1_C_43')] p997: gap=8
Clearance "Schematic Clearance Constraint_80" [InNet('NetH1_C_41')] p998: gap=8
Clearance "Schematic Clearance Constraint_79" [InNet('NetH1_C_39')] p999: gap=8
Clearance "Schematic Clearance Constraint_78" [InNet('NetH1_C_37')] p1000: gap=8
Clearance "Schematic Clearance Constraint_77" [InNet('NetH1_C_35')] p1001: gap=8
Clearance "Schematic Clearance Constraint_76" [InNet('NetH1_C_33')] p1002: gap=8
Clearance "Schematic Clearance Constraint_75" [InNet('NetH1_C_30')] p1003: gap=8
Clearance "Schematic Clearance Constraint_74" [InNet('NetH1_C_22')] p1004: gap=8
Clearance "Schematic Clearance Constraint_73" [InNet('NetH1_C_20')] p1005: gap=8
Clearance "Schematic Clearance Constraint_72" [InNet('NetH1_C_14')] p1006: gap=8
Clearance "Schematic Clearance Constraint_71" [InNet('NetH1_C_13')] p1007: gap=8
Clearance "Schematic Clearance Constraint_70" [InNet('NetH1_C_12')] p1008: gap=8
Clearance "Schematic Clearance Constraint_69" [InNet('NetH1_C_11')] p1009: gap=8
Clearance "Schematic Clearance Constraint_68" [InNet('NetH1_C_10')] p1010: gap=8
Clearance "Schematic Clearance Constraint_67" [InNet('NetH1_C_9')] p1011: gap=8
Clearance "Schematic Clearance Constraint_66" [InNet('NetH1_C_8')] p1012: gap=8
Clearance "Schematic Clearance Constraint_65" [InNet('NetH1_C_7')] p1013: gap=8
Clearance "Schematic Clearance Constraint_64" [InNet('NetH1_C_6')] p1014: gap=8
Clearance "Schematic Clearance Constraint_63" [InNet('NetH1_C_5')] p1015: gap=8
Clearance "Schematic Clearance Constraint_62" [InNet('NetH1_C_4')] p1016: gap=8
Clearance "Schematic Clearance Constraint_61" [InNet('NetH1_C_3')] p1017: gap=8
Clearance "Schematic Clearance Constraint_60" [InNet('NetH1_C_1')] p1018: gap=8
Clearance "Schematic Clearance Constraint_59" [InNet('NetH1_B_104')] p1019: gap=8
Clearance "Schematic Clearance Constraint_58" [InNet('NetH1_B_103')] p1020: gap=8
Clearance "Schematic Clearance Constraint_57" [InNet('NetH1_B_102')] p1021: gap=8
Clearance "Schematic Clearance Constraint_56" [InNet('NetH1_B_101')] p1022: gap=8
Clearance "Schematic Clearance Constraint_55" [InNet('NetH1_B_51')] p1023: gap=8
Clearance "Schematic Clearance Constraint_54" [InNet('NetH1_B_49')] p1024: gap=8
Clearance "Schematic Clearance Constraint_53" [InNet('NetH1_B_47')] p1025: gap=8
Clearance "Schematic Clearance Constraint_52" [InNet('NetH1_B_45')] p1026: gap=8
Clearance "Schematic Clearance Constraint_51" [InNet('NetH1_B_43')] p1027: gap=8
Clearance "Schematic Clearance Constraint_50" [InNet('NetH1_B_41')] p1028: gap=8
Clearance "Schematic Clearance Constraint_49" [InNet('NetH1_B_39')] p1029: gap=8
Clearance "Schematic Clearance Constraint_48" [InNet('NetH1_B_37')] p1030: gap=8
Clearance "Schematic Clearance Constraint_47" [InNet('NetH1_B_35')] p1031: gap=8
Clearance "Schematic Clearance Constraint_46" [InNet('NetH1_B_33')] p1032: gap=8
Clearance "Schematic Clearance Constraint_45" [InNet('NetH1_B_30')] p1033: gap=8
Clearance "Schematic Clearance Constraint_44" [InNet('NetH1_B_22')] p1034: gap=8
Clearance "Schematic Clearance Constraint_43" [InNet('NetH1_B_20')] p1035: gap=8
Clearance "Schematic Clearance Constraint_42" [InNet('NetH1_B_14')] p1036: gap=8
Clearance "Schematic Clearance Constraint_41" [InNet('NetH1_B_13')] p1037: gap=8
Clearance "Schematic Clearance Constraint_40" [InNet('NetH1_B_12')] p1038: gap=8
Clearance "Schematic Clearance Constraint_39" [InNet('NetH1_B_11')] p1039: gap=8
Clearance "Schematic Clearance Constraint_38" [InNet('NetH1_B_10')] p1040: gap=8
Clearance "Schematic Clearance Constraint_37" [InNet('NetH1_B_9')] p1041: gap=8
Clearance "Schematic Clearance Constraint_36" [InNet('NetH1_B_8')] p1042: gap=8
Clearance "Schematic Clearance Constraint_35" [InNet('NetH1_B_7')] p1043: gap=8
Clearance "Schematic Clearance Constraint_34" [InNet('NetH1_B_6')] p1044: gap=8
Clearance "Schematic Clearance Constraint_33" [InNet('NetH1_B_5')] p1045: gap=8
Clearance "Schematic Clearance Constraint_32" [InNet('NetH1_B_4')] p1046: gap=8
Clearance "Schematic Clearance Constraint_31" [InNet('NetH1_B_3')] p1047: gap=8
Clearance "Schematic Clearance Constraint_30" [InNet('NetH1_B_1')] p1048: gap=8
Clearance "Schematic Clearance Constraint_29" [InNet('NetH1_A_104')] p1049: gap=8
Clearance "Schematic Clearance Constraint_28" [InNet('NetH1_A_103')] p1050: gap=8
Clearance "Schematic Clearance Constraint_27" [InNet('NetH1_A_102')] p1051: gap=8
Clearance "Schematic Clearance Constraint_25" [InNet('NetH1_A_51')] p1052: gap=8
Clearance "Schematic Clearance Constraint_24" [InNet('NetH1_A_49')] p1053: gap=8
Clearance "Schematic Clearance Constraint_23" [InNet('NetH1_A_47')] p1054: gap=8
Clearance "Schematic Clearance Constraint_22" [InNet('NetH1_A_45')] p1055: gap=8
Clearance "Schematic Clearance Constraint_21" [InNet('NetH1_A_43')] p1056: gap=8
Clearance "Schematic Clearance Constraint_20" [InNet('NetH1_A_41')] p1057: gap=8
Clearance "Schematic Clearance Constraint_19" [InNet('NetH1_A_39')] p1058: gap=8
Clearance "Schematic Clearance Constraint_18" [InNet('NetH1_A_37')] p1059: gap=8
Clearance "Schematic Clearance Constraint_17" [InNet('NetH1_A_35')] p1060: gap=8
Clearance "Schematic Clearance Constraint_16" [InNet('NetH1_A_33')] p1061: gap=8
Clearance "Schematic Clearance Constraint_15" [InNet('NetH1_A_30')] p1062: gap=8
Clearance "Schematic Clearance Constraint_14" [InNet('NetH1_A_22')] p1063: gap=8
Clearance "Schematic Clearance Constraint_13" [InNet('NetH1_A_20')] p1064: gap=8
Clearance "Schematic Clearance Constraint_12" [InNet('NetH1_A_14')] p1065: gap=8
Clearance "Schematic Clearance Constraint_11" [InNet('NetH1_A_13')] p1066: gap=8
Clearance "Schematic Clearance Constraint_10" [InNet('NetH1_A_12')] p1067: gap=8
Clearance "Schematic Clearance Constraint_9" [InNet('NetH1_A_11')] p1068: gap=8
Clearance "Schematic Clearance Constraint_8" [InNet('NetH1_A_10')] p1069: gap=8
Clearance "Schematic Clearance Constraint_7" [InNet('NetH1_A_9')] p1070: gap=8
Clearance "Schematic Clearance Constraint_6" [InNet('NetH1_A_8')] p1071: gap=8
Clearance "Schematic Clearance Constraint_5" [InNet('NetH1_A_7')] p1072: gap=8
Clearance "Schematic Clearance Constraint_4" [InNet('NetH1_A_6')] p1073: gap=8
Clearance "Schematic Clearance Constraint_3" [InNet('NetH1_A_5')] p1074: gap=8
Clearance "Schematic Clearance Constraint_2" [InNet('NetH1_A_4')] p1075: gap=8
Clearance "Schematic Clearance Constraint_1" [InNet('NetH1_A_3')] p1076: gap=8
Clearance [All] p1077 off: gap=6
HoleSize [All] p1: absolutevalues=TRUE maxlimit=200 minlimit=1 maxpercent=80.000 minpercent=20.000
MinimumSolderMaskSliver [All] p1: minsoldermaskwidth=4
PolygonConnect [All] p1: connectstyle=Direct reliefconductorwidth=10 reliefentries=4 polygonreliefangle="90 Angle" airgapwidth=10
RoomDefinition A [InComponentClass('A')] p1: confinementstyle=ConfineIn formatcopy=TRUE lockcomponents=FALSE outline 39757,54006.52 43392,54006.52 43392,49759 39757,49759 39757,51882.76
RoomDefinition G [InComponentClass('G')] p2: confinementstyle=ConfineIn formatcopy=TRUE lockcomponents=FALSE outline 43054,50300 43054,49817 42862,49817 42801,49756 40664,49756 40408,49500 40395,49500 40316,49421 40316,49139 40324,49131 40773,49131 42492,47412 42505,47412 42720,47046 43059,47046 43059,46597 46868,46597 46868,50300
RoomDefinition F [InComponentClass('F')] p3: confinementstyle=ConfineIn formatcopy=TRUE lockcomponents=FALSE outline 43054,44395 43054,43912 42862,43912 42801,43851 40664,43851 40408,43595 40395,43595 40316,43516 40316,43234 40324,43226 40773,43226 42492,41507 42505,41507 42720,41141 43059,41141 43059,40692 46868,40692 46868,44395
RoomDefinition D [InComponentClass('D')] p4: confinementstyle=ConfineIn formatcopy=TRUE lockcomponents=FALSE outline 36191,47998 40038,47998 40038,47357 42389,47357 42758,46988 42758,46414 42738,46394 42054,46394 40615,44955 40544,44955 40247,44658 40028,44658 40028,44301 36191,44301
RoomDefinition E [InComponentClass('E')] p5: confinementstyle=ConfineIn formatcopy=TRUE lockcomponents=FALSE outline 43137,39553 39985,39553 39985,40534 43094,40534 43094,40535 43137,40535
RoutingVias [All] p1: holewidth=8 width=24 viastyle="Through Hole" minholewidth=8 minwidth=18 maxholewidth=28 maxwidth=50
SilkToSilkClearance [All] p1: silktosilkclearance=0
SilkToSolderMaskClearance [IsPad] p1: minsilkscreentomaskgap=0 clearancetoexposedcopper=TRUE
SolderMaskExpansion [All] p1: expansion=2
Width "Schematic Width Constraint_1087" [InNet('STR_GND_A')] p1: maxlimit=26 minlimit=8 preferedwidth=26
Width "Schematic Width Constraint_1086" [InNet('STR_GND_A')] p2: maxlimit=26 minlimit=8 preferedwidth=26
Width "Schematic Width Constraint_1085" [InNet('STR_GND_A')] p3: maxlimit=26 minlimit=8 preferedwidth=26
Width "Schematic Width Constraint_1084" [InNet('STR_GND_A')] p4: maxlimit=26 minlimit=8 preferedwidth=26
Width "Schematic Width Constraint_1083" [InNet('STR_GND_A')] p5: maxlimit=26 minlimit=8 preferedwidth=26
Width "Schematic Width Constraint_1082" [InNet('STR_GND_A')] p6: maxlimit=26 minlimit=8 preferedwidth=26
Width "Schematic Width Constraint_1081" [InNet('STR_GND_A')] p7: maxlimit=26 minlimit=8 preferedwidth=26
Width "Schematic Width Constraint_1080" [InNet('STR_GND_A')] p8: maxlimit=26 minlimit=8 preferedwidth=26
Width "Schematic Width Constraint_1079" [InNet('STR_GND_A')] p9: maxlimit=10 minlimit=8 preferedwidth=8
Width "Schematic Width Constraint_1078" [InNet('STR_GND_A')] p10: maxlimit=10 minlimit=8 preferedwidth=8
Width "Schematic Width Constraint_1077" [InNet('STR_GND_A')] p11: maxlimit=10 minlimit=8 preferedwidth=8
Width "Schematic Width Constraint_1076" [InNet('STR_GND_A')] p12: maxlimit=10 minlimit=8 preferedwidth=8
Width "Schematic Width Constraint_1075" [InNet('STR_GND_A')] p13: maxlimit=10 minlimit=8 preferedwidth=8
Width "Schematic Width Constraint_1074" [InNet('STR_GND_A')] p14: maxlimit=10 minlimit=8 preferedwidth=8
Width "Schematic Width Constraint_1073" [InNet('STR_GND_A')] p15: maxlimit=10 minlimit=8 preferedwidth=8
Width "Schematic Width Constraint_1072" [InNet('STR_GND_A')] p16: maxlimit=10 minlimit=8 preferedwidth=8
Width "Schematic Width Constraint_1071" [InNet('RBF_SW_2')] p17: maxlimit=26 minlimit=8 preferedwidth=26
Width "Schematic Width Constraint_1070" [InNet('RBF_SW_2')] p18: maxlimit=26 minlimit=8 preferedwidth=26
Width "Schematic Width Constraint_1069" [InNet('RBF_SW_2')] p19: maxlimit=26 minlimit=8 preferedwidth=26
Width "Schematic Width Constraint_1068" [InNet('RBF_SW_2')] p20: maxlimit=26 minlimit=8 preferedwidth=26
Width "Schematic Width Constraint_1067" [InNet('RBF_SW_2')] p21: maxlimit=26 minlimit=8 preferedwidth=26
Width "Schematic Width Constraint_1066" [InNet('RBF_SW_2')] p22: maxlimit=26 minlimit=8 preferedwidth=26
Width "Schematic Width Constraint_1065" [InNet('RBF_SW_2')] p23: maxlimit=26 minlimit=8 preferedwidth=26
Width "Schematic Width Constraint_1064" [InNet('RBF_SW_2')] p24: maxlimit=26 minlimit=8 preferedwidth=26
Width "Schematic Width Constraint_1063" [InNet('RBF_SW_1')] p25: maxlimit=26 minlimit=8 preferedwidth=26
Width "Schematic Width Constraint_1062" [InNet('RBF_SW_1')] p26: maxlimit=26 minlimit=8 preferedwidth=26
Width "Schematic Width Constraint_1061" [InNet('RBF_SW_1')] p27: maxlimit=26 minlimit=8 preferedwidth=26
Width "Schematic Width Constraint_1060" [InNet('RBF_SW_1')] p28: maxlimit=26 minlimit=8 preferedwidth=26
Width "Schematic Width Constraint_1059" [InNet('RBF_SW_1')] p29: maxlimit=26 minlimit=8 preferedwidth=26
Width "Schematic Width Constraint_1058" [InNet('RBF_SW_1')] p30: maxlimit=26 minlimit=8 preferedwidth=26
Width "Schematic Width Constraint_1057" [InNet('RBF_SW_1')] p31: maxlimit=26 minlimit=8 preferedwidth=26
Width "Schematic Width Constraint_1056" [InNet('RBF_SW_1')] p32: maxlimit=26 minlimit=8 preferedwidth=26
Width "Schematic Width Constraint_1055" [InNet('PCM_IN_2')] p33: maxlimit=26 minlimit=8 preferedwidth=26
Width "Schematic Width Constraint_1054" [InNet('PCM_IN_2')] p34: maxlimit=26 minlimit=8 preferedwidth=26
Width "Schematic Width Constraint_1053" [InNet('PCM_IN_2')] p35: maxlimit=26 minlimit=8 preferedwidth=26
Width "Schematic Width Constraint_1052" [InNet('PCM_IN_2')] p36: maxlimit=26 minlimit=8 preferedwidth=26
Width "Schematic Width Constraint_1051" [InNet('PCM_IN_2')] p37: maxlimit=26 minlimit=8 preferedwidth=26
Width "Schematic Width Constraint_1050" [InNet('PCM_IN_2')] p38: maxlimit=26 minlimit=8 preferedwidth=26
Width "Schematic Width Constraint_1049" [InNet('PCM_IN_2')] p39: maxlimit=26 minlimit=8 preferedwidth=26
Width "Schematic Width Constraint_1048" [InNet('PCM_IN_2')] p40: maxlimit=26 minlimit=8 preferedwidth=26
Width "Schematic Width Constraint_1047" [InNet('PCM_IN_1')] p41: maxlimit=26 minlimit=8 preferedwidth=26
Width "Schematic Width Constraint_1046" [InNet('PCM_IN_1')] p42: maxlimit=26 minlimit=8 preferedwidth=26
Width "Schematic Width Constraint_1045" [InNet('PCM_IN_1')] p43: maxlimit=26 minlimit=8 preferedwidth=26
Width "Schematic Width Constraint_1044" [InNet('PCM_IN_1')] p44: maxlimit=26 minlimit=8 preferedwidth=26
Width "Schematic Width Constraint_1043" [InNet('PCM_IN_1')] p45: maxlimit=26 minlimit=8 preferedwidth=26
Width "Schematic Width Constraint_1042" [InNet('PCM_IN_1')] p46: maxlimit=26 minlimit=8 preferedwidth=26
Width "Schematic Width Constraint_1041" [InNet('PCM_IN_1')] p47: maxlimit=26 minlimit=8 preferedwidth=26
Width "Schematic Width Constraint_1040" [InNet('PCM_IN_1')] p48: maxlimit=26 minlimit=8 preferedwidth=26
Width "Schematic Width Constraint_1039" [InNet('GND_17')] p49: maxlimit=26 minlimit=8 preferedwidth=26
Width "Schematic Width Constraint_1038" [InNet('GND_17')] p50: maxlimit=26 minlimit=8 preferedwidth=26
Width "Schematic Width Constraint_1037" [InNet('GND_17')] p51: maxlimit=26 minlimit=8 preferedwidth=26
Width "Schematic Width Constraint_1036" [InNet('GND_17')] p52: maxlimit=26 minlimit=8 preferedwidth=26
Width "Schematic Width Constraint_1035" [InNet('GND_17')] p53: maxlimit=26 minlimit=8 preferedwidth=26
Width "Schematic Width Constraint_1034" [InNet('GND_17')] p54: maxlimit=26 minlimit=8 preferedwidth=26
Width "Schematic Width Constraint_1033" [InNet('GND_17')] p55: maxlimit=26 minlimit=8 preferedwidth=26
Width "Schematic Width Constraint_1032" [InNet('GND_17')] p56: maxlimit=26 minlimit=8 preferedwidth=26
Width "Schematic Width Constraint_1031" [InNet('GND_19')] p57: maxlimit=26 minlimit=8 preferedwidth=26
Width "Schematic Width Constraint_1030" [InNet('GND_19')] p58: maxlimit=26 minlimit=8 preferedwidth=26
Width "Schematic Width Constraint_1029" [InNet('GND_19')] p59: maxlimit=26 minlimit=8 preferedwidth=26
Width "Schematic Width Constraint_1028" [InNet('GND_19')] p60: maxlimit=26 minlimit=8 preferedwidth=26
Width "Schematic Width Constraint_1027" [InNet('GND_19')] p61: maxlimit=26 minlimit=8 preferedwidth=26
Width "Schematic Width Constraint_1026" [InNet('GND_19')] p62: maxlimit=26 minlimit=8 preferedwidth=26
Width "Schematic Width Constraint_1025" [InNet('GND_19')] p63: maxlimit=26 minlimit=8 preferedwidth=26
Width "Schematic Width Constraint_1024" [InNet('GND_19')] p64: maxlimit=26 minlimit=8 preferedwidth=26
Width "Schematic Width Constraint_1023" [InNet('GND_18')] p65: maxlimit=26 minlimit=8 preferedwidth=26
Width "Schematic Width Constraint_1022" [InNet('GND_18')] p66: maxlimit=26 minlimit=8 preferedwidth=26
Width "Schematic Width Constraint_1021" [InNet('GND_18')] p67: maxlimit=26 minlimit=8 preferedwidth=26
Width "Schematic Width Constraint_1020" [InNet('GND_18')] p68: maxlimit=26 minlimit=8 preferedwidth=26
Width "Schematic Width Constraint_1019" [InNet('GND_18')] p69: maxlimit=26 minlimit=8 preferedwidth=26
Width "Schematic Width Constraint_1018" [InNet('GND_18')] p70: maxlimit=26 minlimit=8 preferedwidth=26
Width "Schematic Width Constraint_1017" [InNet('GND_18')] p71: maxlimit=26 minlimit=8 preferedwidth=26
Width "Schematic Width Constraint_1016" [InNet('GND_18')] p72: maxlimit=26 minlimit=8 preferedwidth=26
Width "Schematic Width Constraint_1015" [InNet('GND_16')] p73: maxlimit=26 minlimit=8 preferedwidth=26
Width "Schematic Width Constraint_1014" [InNet('GND_16')] p74: maxlimit=26 minlimit=8 preferedwidth=26
Width "Schematic Width Constraint_1013" [InNet('GND_16')] p75: maxlimit=26 minlimit=8 preferedwidth=26
Width "Schematic Width Constraint_1012" [InNet('GND_16')] p76: maxlimit=26 minlimit=8 preferedwidth=26
Width "Schematic Width Constraint_1011" [InNet('GND_16')] p77: maxlimit=26 minlimit=8 preferedwidth=26
Width "Schematic Width Constraint_1010" [InNet('GND_16')] p78: maxlimit=26 minlimit=8 preferedwidth=26
Width "Schematic Width Constraint_1009" [InNet('GND_16')] p79: maxlimit=26 minlimit=8 preferedwidth=26